# KiCad board Panel2.kicad_pcb (continued)
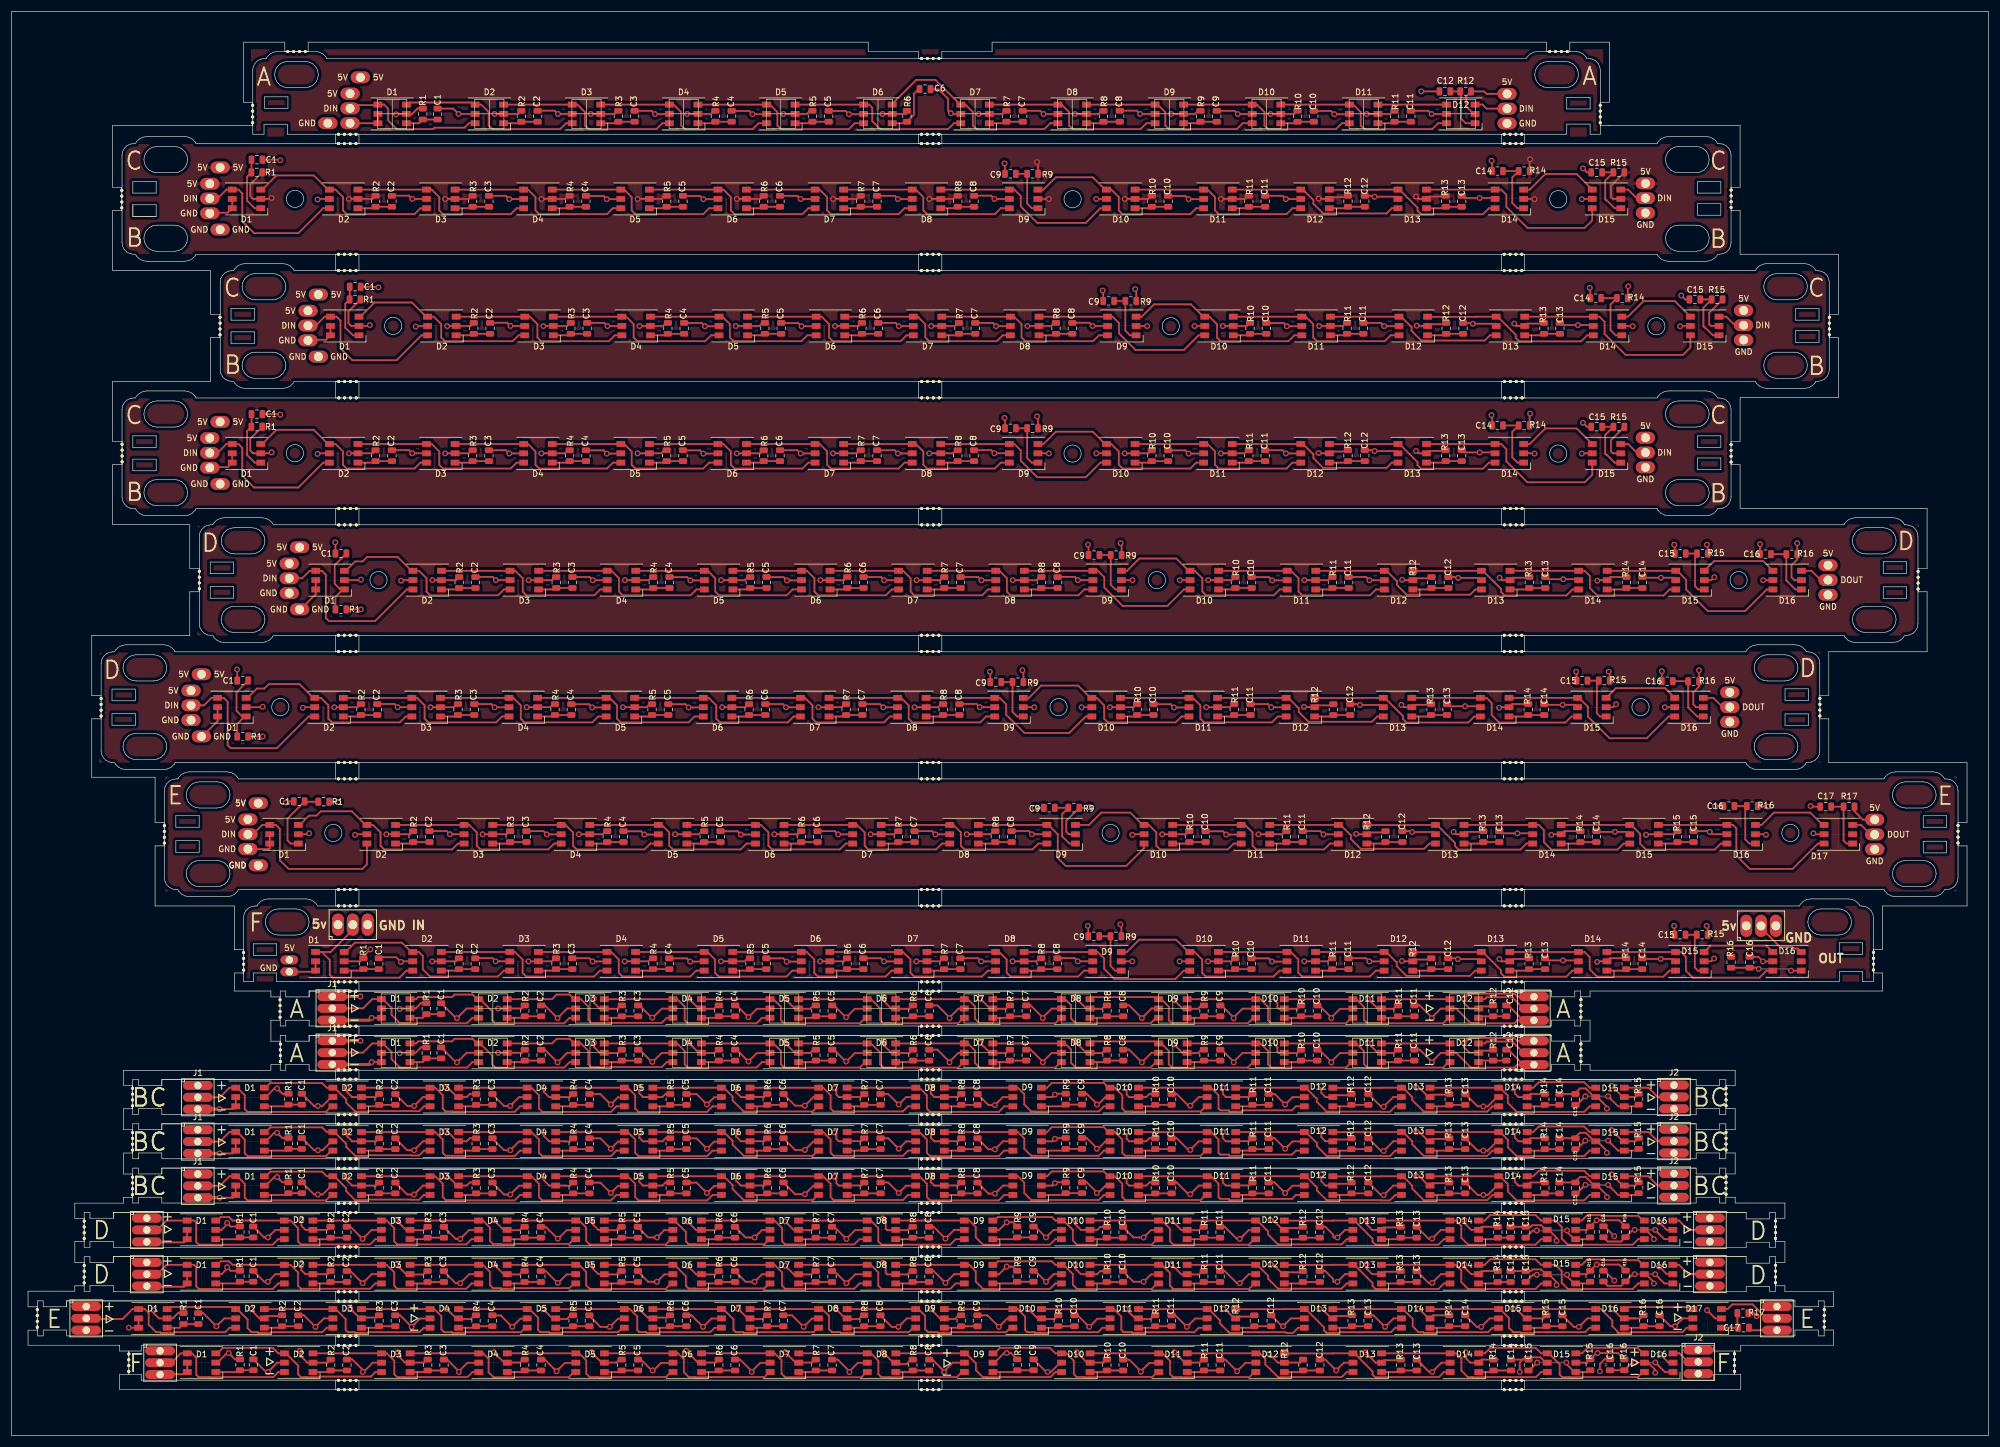
[diagram p0: board, top side]
## Routing (per net, layer and track width the routed paths; a pad name or vN(x,y) marks a point on that pad's centre or on a via; arc(x,y) is an arc through that point) (continued)
242.32,100.69 231.44,100.69 229.77,102.36 229.77,103 227.98,104.79 D12#5.4 ; 319.83,103.15 318.94,103.15 317.3,104.79 D17.3 ; D17.1 314.79,101.59 314.29,102.09 R17.2 C17.1 ; D16#4.1 298.12,101.59 297.43,102.28 297.43,107.76 R16#4.2 C16#4.1 ; C15#5.1 R15#5.2 285.55,101.59 D15#5.1 ; D14#5.1 268.88,101.59 R14#5.2 C14#5.1 ; D13#5.1 252.22,101.59 R13#5.2 C13#5.1 ; D13#5.3 D14#5.4 261.99,104.79 262.88,103.9 262.88,101.82 264.15,100.55 275.52,100.55 276.56,101.59 D15#5.6 ; D14#5.3 D15#5.4 277.86,104.79 279.39,103.26 279.39,101.56 280.4,100.55 292.19,100.55 293.22,101.59 D16#4.6 ; D15#5.3 D16#4.4 295.32,104.79 295.9,104.21 295.9,99.53 298.18,97.25 305.55,97.25 309.89,101.59 D17.6 ; D17.4 310.69,104.79 308.58,106.9 302.34,106.9 300.22,104.79 D16#4.3 ; 179.07,228.44 180.12,228.44 181.41,227.16 181.41,224.86 182.04,224.23 193.68,224.23 194.69,225.24 195.74,225.24 ; 150.95,228.44 155.2,232.68 158.48,232.68 162.72,228.44 ; 162.56,228.44 163.61,228.44 164.9,227.16 164.9,224.86 165.53,224.23 177.17,224.23 178.18,225.24 179.39,225.24 ; 167.46,228.44 179.23,228.44 ; 229.11,228.44 230.16,228.44 231.45,227.16 231.45,224.86 232.08,224.23 243.71,224.23 244.73,225.24 245.93,225.24 ; 212.41,225.24 211.2,225.24 210.19,224.23 198.55,224.23 197.92,224.86 197.92,227.16 196.63,228.44 195.58,228.44 ; 183.97,228.44 195.74,228.44 ; 217.5,228.44 229.27,228.44 ; 234.01,228.44 245.78,228.44 ; 117.43,225.24 120.2,225.24 120.46,225.5 123.25,225.5 ; 100.92,225.24 103.69,225.24 103.95,225.5 106.74,225.5 ; C2#6.1 R2#6.2 87.18,225.24 D2#6.1 ; 139.76,225.5 136.97,225.5 136.71,225.24 133.94,225.24 ; C1#6.1 R1#6.2 69.9,225.24 D1#6.1 ; D2#6.3 D3#6.4 ; 96.02,228.44 97.07,228.44 98.35,227.16 98.35,224.86 98.99,224.23 110.62,224.23 111.63,225.24 D4#6.6 ; D3#6.6 95.12,225.24 94.11,224.23 82.48,224.23 81.84,224.86 81.84,227.16 80.56,228.44 D2#6.4 79.26,228.44 78.9,228.8 68.35,228.8 67.99,228.44 D1#6.3 ; 100.92,228.44 112.68,228.44 ; 112.53,228.44 113.58,228.44 114.86,227.16 114.86,224.86 115.5,224.23 127.13,224.23 128.14,225.24 129.19,225.24 ; 145.86,225.24 144.65,225.24 143.64,224.23 132.01,224.23 131.37,224.86 131.37,227.16 130.09,228.44 129.04,228.44 ; 117.43,228.44 129.19,228.44 ; 133.94,228.44 145.7,228.44 ; 162.72,225.24 161.67,225.24 160.66,224.23 149.02,224.23 147.65,225.6 147.65,227.89 147.1,228.44 146.05,228.44 ; R6#6.2 154.79,226.69 154.79,230.3 155.65,231.16 ; C12#6.2 v1(241.83,230.7) ; 173.29,225.5 170.5,225.5 170.24,225.24 167.46,225.24 ; 183.97,225.24 186.75,225.24 187.01,225.5 189.8,225.5 ; 153.99,225.5 153.73,225.24 150.95,225.24 ; 157.74,231.03 159.07,231.03 160.65,229.45 160.65,227.45 v1(161.15,226.95) 161.26,226.84 D7#6.5 ; D12#6.3 252.36,228.44 253.05,227.75 J2#5.2 ; 212.6,228.44 213.65,228.44 214.94,227.16 214.94,224.86 215.57,224.23 227.2,224.23 228.22,225.24 229.27,225.24 ; J1#5.3 58.06,225.24 D1#6.6 D1#6.5 ; 200.48,228.44 212.25,228.44 ; C12#6.1 R12#6.2 248.65,230.56 248.65,226.05 249.46,225.24 D12#6.1 ; 234.01,225.24 236.79,225.24 237.04,225.5 239.84,225.5 ; 217.5,225.24 220.28,225.24 220.53,225.5 223.33,225.5 ; 200.48,225.24 203.26,225.24 203.52,225.5 206.31,225.5 ; v1(65.97,226.77) 66.04,226.84 D1#6.2 68.71,226.84 69.65,227.78 70.51,227.78 R1#6.1 ; 251.37,227.15 D12#6.2 250.82,226.84 249.55,228.1 249.55,229.87 R12#6.1 252.6,230.7 253.01,230.29 J2#5.1 ; 103.95,227.37 103.42,226.84 99.38,226.84 v1(99.37,226.83) ; 120.46,227.37 119.93,226.84 115.89,226.84 v1(115.88,226.83) ; v1(132.39,226.83) 132.4,226.84 136.44,226.84 136.97,227.37 ; 153.99,227.37 153.46,226.84 149.42,226.84 v1(149.41,226.83) ; v1(165.92,226.83) 165.93,226.84 169.97,226.84 170.5,227.37 ; 203.52,227.37 202.99,226.84 198.95,226.84 v1(198.94,226.83) ; v1(182.43,226.83) 182.44,226.84 186.48,226.84 187.01,227.37 ; R2#6.1 86.91,226.84 D2#6.2 82.87,226.84 v1(82.86,226.83) ; v1(232.46,226.83) 232.47,226.84 236.51,226.84 237.04,227.37 ; 220.53,227.37 220,226.84 215.96,226.84 v1(215.95,226.83) ; D2#6.6 78.46,225.24 77.7,224.48 72.57,224.48 72.32,224.23 66.09,224.23 64.57,225.75 64.57,227.76 63.89,228.44 D1#6.4 ; D1#6.4 62.82,228.42 ; D1#6.4 62.75,228.35 58.61,228.35 J1#5.2 ; D2#6.5 v1(76.66,226.84) 75.75,227.75 C1#6.2 ; 96.24,226.84 v1(93.73,226.84) 93.17,227.4 90.17,227.4 ; 112.88,226.82 v1(110.37,226.82) 109.81,227.37 106.81,227.37 ; 123.55,227.35 126.55,227.35 v1(127.1,226.79) 129.62,226.79 ; 146.18,226.79 v1(143.67,226.79) 143.11,227.35 140.11,227.35 ; 173.48,227.37 176.49,227.37 v1(177.04,226.82) 179.55,226.82 ; 196.12,226.84 v1(193.6,226.84) 193.05,227.4 190.05,227.4 ; 206.81,227.37 209.81,227.37 v1(210.37,226.82) 212.88,226.82 ; 223.37,227.35 226.37,227.35 v1(226.93,226.79) 229.44,226.79 ; 246.13,226.82 v1(243.61,226.82) 243.06,227.37 240.06,227.37 ; D13#7.5 254.3,190.82 v1(250.68,190.82) 250.53,190.97 C12#8.2 ; D13#6.5 237.45,168.96 v1(233.83,168.96) 233.68,169.11 C12#7.2 ; D2#8.5 69.42,190.44 v1(69.32,190.34) ; D2#7.5 52.58,168.58 v1(52.48,168.48) ; D14#7.6 270.3,188.84 269.26,187.8 258.65,187.8 258.05,188.4 258.05,188.92 254.93,192.04 D13#7.4 251.26,192.04 251.24,192.01 242.94,192.01 D12#8.3 ; D14#6.6 253.45,166.98 252.41,165.94 241.8,165.94 241.2,166.55 241.2,167.07 238.09,170.18 D13#6.4 234.41,170.18 234.39,170.16 226.09,170.16 D12#7.3 ; C9#8.2 187.26,196.44 v1(187.18,196.52) ; C9#7.2 170.41,174.58 v1(170.34,174.66) ; D14#7.5 271.19,190.59 v1(268.71,190.59) 266,190.59 C13#7.2 ; D14#6.5 254.35,168.73 v1(251.87,168.73) 249.15,168.73 C13#6.2 ; v1(202.93,190.42) 202.95,190.44 D10#8.5 ; v1(186.08,168.56) 186.1,168.58 D10#7.5 ; 287.61,190.84 D15#7.5 286.29,190.44 v1(286.24,190.39) ; 270.76,168.99 D15#6.5 269.44,168.58 v1(269.39,168.53) ; v1(270.75,196.99) 270.82,196.91 C14#7.2 ; v1(253.9,175.14) 253.98,175.06 C14#6.2 ; J1#7.3 50.94,188.07 53.92,188.07 D1#8.6 D1#8.5 ; 33.99,166.11 34.09,166.21 37.07,166.21 D1#7.6 D1#7.5 ; v1(62.94,197.07) 62.84,197.17 C1#8.2 ; v1(46.09,175.21) 45.99,175.31 C1#7.2 ; C15#7.2 287.11,194.99 v1(286.44,195.67) ; C15#6.2 270.26,173.14 v1(269.59,173.81) ; 221.12,188.84 220.07,188.84 219.06,187.82 207.42,187.82 206.79,188.46 206.79,190.75 205.5,192.04 204.45,192.04 ; 204.27,166.98 203.22,166.98 202.21,165.97 190.58,165.97 189.94,166.6 189.94,168.89 188.66,170.18 187.61,170.18 ; 231.91,190.97 234.91,190.97 v1(235.46,190.41) 237.98,190.41 ; 215.06,169.11 218.06,169.11 v1(218.62,168.56) 221.13,168.56 ; 88.09,190.44 v1(85.58,190.44) 85.03,190.99 82.02,190.99 ; 71.25,168.58 v1(68.73,168.58) 68.18,169.14 65.18,169.14 ; D10#8.4 204.43,192.04 202.32,194.15 195.99,194.15 193.88,192.04 D9#8.3 ; D10#7.4 187.59,170.18 185.48,172.29 179.14,172.29 177.03,170.18 D9#7.3 ; D1#8.1 58.54,188.84 57.24,190.14 57.24,194.25 R1#8.2 ; D1#7.1 41.69,166.98 40.39,168.29 40.39,172.4 R1#7.2 ; 215.22,190.94 218.22,190.94 v1(218.78,190.39) 221.29,190.39 ; 198.37,169.09 201.38,169.09 v1(201.93,168.53) 204.44,168.53 ; 165.34,190.97 168.34,190.97 v1(168.89,190.41) 171.41,190.41 ; 148.49,169.11 151.49,169.11 v1(152.04,168.56) 154.56,168.56 ; 181.9,190.99 184.9,190.99 v1(185.45,190.44) 187.97,190.44 ; 165.05,169.14 168.05,169.14 v1(168.61,168.58) 171.12,168.58 ; D15#7.4 285.34,194.71 279.97,194.71 277.3,192.04 D14#7.3 ; D15#6.4 268.5,172.85 263.12,172.85 260.45,170.18 D14#6.3 ; J2#7.2 296.54,190.57 296.34,190.77 295.44,190.77 294.17,192.04 D15#7.3 ; J2#6.2 279.69,168.71 279.49,168.91 278.59,168.91 277.32,170.18 D15#6.3 ; R12#8.1 245.89,190.74 243.22,190.74 D12#8.2 241.13,190.44 v1(241.08,190.49) ; R12#7.1 229.04,168.89 226.38,168.89 D12#7.2 224.28,168.58 v1(224.23,168.63) ; v1(157.77,190.43) 157.78,190.44 161.82,190.44 162.35,190.97 ; v1(140.92,168.57) 140.93,168.58 144.97,168.58 145.5,169.11 ; 178.86,190.97 178.33,190.44 174.29,190.44 v1(174.28,190.43) ; 162.01,169.11 161.48,168.58 157.44,168.58 v1(157.43,168.57) ; v1(141.26,190.43) 141.27,190.44 145.31,190.44 145.84,190.97 ; v1(124.41,168.57) 124.42,168.58 128.46,168.58 128.99,169.11 ; v1(224.31,190.43) 224.32,190.44 228.36,190.44 228.9,190.97 ; v1(207.47,168.57) 207.48,168.58 211.52,168.58 212.05,169.11 ; v1(107.73,190.43) 107.74,190.44 111.78,190.44 112.31,190.97 ; v1(90.88,168.57) 90.89,168.58 94.93,168.58 95.46,169.11 ; 128.82,190.97 128.29,190.44 124.25,190.44 v1(124.24,190.43) ; 111.97,169.11 111.44,168.58 107.4,168.58 v1(107.39,168.57) ; v1(91.22,190.43) 91.23,190.44 95.27,190.44 95.8,190.97 ; v1(74.37,168.57) 74.38,168.58 78.42,168.58 78.95,169.11 ; 212.39,190.97 211.85,190.44 207.81,190.44 v1(207.8,190.43) ; 195.54,169.11 195.01,168.58 190.97,168.58 v1(190.96,168.57) ; R9#8.1 192.95,196.59 v1(192.77,196.77) ; R9#7.1 176.1,174.74 v1(175.92,174.91) ; v1(194.8,190.42) 194.79,190.44 D9#8.2 ; v1(177.96,168.56) 177.94,168.58 D9#7.2 ; v1(61.45,190.59) 61.29,190.44 D1#8.2 58.27,190.44 57.79,190.92 57.79,192.93 R1#8.1 ; v1(44.6,168.73) 44.45,168.58 D1#7.2 41.42,168.58 40.94,169.06 40.94,171.07 R1#7.1 ; R2#8.1 78.76,190.44 D2#8.2 74.72,190.44 v1(74.71,190.43) ; R2#7.1 61.91,168.58 D2#7.2 57.87,168.58 v1(57.86,168.57) ; v1(257.79,190.84) 258.2,190.44 D13#7.2 259.99,190.84 262.76,190.84 R13#7.1 ; v1(240.94,168.99) 241.35,168.58 D13#6.2 243.14,168.99 245.91,168.99 R13#6.1 ; v1(278.11,190.39) 278.07,190.44 D14#7.2 ; v1(261.26,168.53) 261.22,168.58 D14#6.2 ; 54.67,192.01 D1#8.4 ; D1#8.4 55.74,192.04 56.42,191.36 56.42,186.58 58.44,184.57 66.04,184.57 70.31,188.84 D2#8.6 ; D1#8.4 53.71,192.04 52.18,190.51 J1#7.2 ; 37.82,170.16 D1#7.4 ; D1#7.4 38.89,170.18 39.57,169.5 39.57,164.73 41.59,162.71 49.19,162.71 53.46,166.98 D2#7.6 ; D1#7.4 36.86,170.18 35.33,168.65 J1#6.2 ; D15#7.2 291.57,190.44 291.24,190.77 291.24,192.7 R15#7.1 ; D15#6.2 274.72,168.58 274.39,168.91 274.39,170.84 R15#6.1 ; R14#7.1 277.27,197.17 v1(277.35,197.25) ; R14#6.1 260.42,175.31 v1(260.5,175.39) ; 104.73,190.41 v1(102.22,190.41) 101.66,190.97 98.66,190.97 ; 87.88,168.56 v1(85.37,168.56) 84.82,169.11 81.81,169.11 ; 115.4,190.94 118.4,190.94 v1(118.96,190.39) 121.47,190.39 ; 98.55,169.09 101.55,169.09 v1(102.11,168.53) 104.62,168.53 ; 138.03,190.39 v1(135.52,190.39) 134.96,190.94 131.96,190.94 ; 121.18,168.53 v1(118.67,168.53) 118.11,169.09 115.11,169.09 ; 148.65,190.97 151.65,190.97 v1(152.2,190.41) 154.72,190.41 ; 131.8,169.11 134.8,169.11 v1(135.36,168.56) 137.87,168.56 ; D15#7.6 288.02,186.75 286.74,185.47 276.89,185.47 273.29,189.07 273.29,191.15 272.4,192.04 D14#7.4 D13#7.3 ; D15#6.6 271.17,164.89 269.89,163.61 260.04,163.61 256.44,167.21 256.44,169.29 255.55,170.18 D14#6.4 D13#6.3 ; 87.87,192.04 88.92,192.04 90.2,190.75 90.2,188.46 90.84,187.82 102.47,187.82 103.48,188.84 D4#8.6 ; 71.02,170.18 72.07,170.18 73.36,168.89 73.36,166.6 73.99,165.97 85.62,165.97 86.64,166.98 D4#7.6 ; C13#7.1 R13#7.2 262.63,188.84 D13#7.1 ; C13#6.1 R13#6.2 245.78,166.98 D13#6.1 ; D2#8.3 D3#8.4 ; D2#7.3 D3#7.4 ; D3#8.6 86.97,188.84 85.96,187.82 74.33,187.82 73.69,188.46 73.69,190.75 72.41,192.04 D2#8.4 71.11,192.04 68.68,194.47 62.27,194.47 59.84,192.04 D1#8.3 ; D3#7.6 70.13,166.98 69.11,165.97 57.48,165.97 56.85,166.6 56.85,168.89 55.56,170.18 D2#7.4 54.26,170.18 51.83,172.61 45.42,172.61 42.99,170.18 D1#7.3 ; C1#8.1 58,195.02 R1#8.2 ; C1#7.1 41.15,173.16 R1#7.2 ; R1#8.2 58.07,195.09 ; R1#7.2 41.22,173.23 ; 104.38,192.04 105.43,192.04 106.71,190.75 106.71,188.46 107.35,187.82 118.98,187.82 119.99,188.84 121.04,188.84 ; 87.53,170.18 88.58,170.18 89.87,168.89 89.87,166.6 90.5,165.97 102.13,165.97 103.15,166.98 104.2,166.98 ; 92.77,192.04 104.53,192.04 ; 75.92,170.18 87.69,170.18 ; 137.71,188.84 136.5,188.84 135.49,187.82 123.86,187.82 123.22,188.46 123.22,190.75 121.94,192.04 120.89,192.04 ; 120.86,166.98 119.66,166.98 118.64,165.97 107.01,165.97 106.38,166.6 106.38,168.89 105.09,170.18 104.04,170.18 ; 109.28,192.04 121.04,192.04 ; 92.43,170.18 104.2,170.18 ; 137.91,192.04 138.96,192.04 140.24,190.75 140.24,188.46 140.88,187.82 152.51,187.82 153.52,188.84 154.57,188.84 ; 121.06,170.18 122.11,170.18 123.39,168.89 123.39,166.6 124.03,165.97 135.66,165.97 136.67,166.98 137.72,166.98 ; 125.79,192.04 137.55,192.04 ; 108.94,170.18 120.71,170.18 ; 154.39,166.98 153.18,166.98 152.17,165.97 140.54,165.97 139.9,166.6 139.9,168.89 138.62,170.18 137.57,170.18 ; 171.24,188.84 170.03,188.84 169.02,187.82 157.39,187.82 156.75,188.46 156.75,190.75 155.47,192.04 154.42,192.04 ; 125.96,170.18 137.72,170.18 ; 142.81,192.04 154.57,192.04 ; 170.74,166.98 169.69,166.98 168.68,165.97 157.05,165.97 156.41,166.6 156.41,168.89 155.13,170.18 154.08,170.18 ; 187.59,188.84 186.54,188.84 185.53,187.82 173.9,187.82 173.26,188.46 173.26,190.75 171.98,192.04 170.93,192.04 ; 142.47,170.18 154.23,170.18 ; 159.32,192.04 171.08,192.04 ; 158.98,170.18 170.74,170.18 ; 175.83,192.04 187.59,192.04 ; 170.59,170.18 171.64,170.18 ; 187.44,192.04 188.49,192.04 ; D10#7.6 186.79,166.98 184.28,164.47 175.95,164.47 173.13,167.29 173.13,169.07 172.02,170.18 D9#7.4 ; D10#8.6 203.63,188.84 201.12,186.33 192.8,186.33 189.98,189.15 189.98,190.93 188.87,192.04 D9#8.4 ; 220.96,192.04 222.01,192.04 223.3,190.75 223.3,188.46 223.93,187.82 235.57,187.82 236.58,188.84 237.79,188.84 ; 204.12,170.18 205.17,170.18 206.45,168.89 206.45,166.6 207.09,165.97 218.72,165.97 219.73,166.98 220.94,166.98 ; 209.35,192.04 221.12,192.04 ; 192.51,170.18 204.27,170.18 ; 225.86,192.04 237.63,192.04 ; 209.02,170.18 220.78,170.18 ; D13#7.6 253.63,188.84 252.73,187.94 241.85,187.94 240.18,189.6 240.18,190.24 238.39,192.04 D12#8.4 ; D13#6.6 236.79,166.98 235.89,166.08 225,166.08 223.33,167.75 223.33,168.39 221.54,170.18 D12#7.4 ; C15#7.1 R15#7.2 290.24,193.57 290.24,190.37 290.44,190.17 290.54,190.17 291.87,188.84 D15#7.1 ; C15#6.1 R15#6.2 273.39,171.72 273.39,168.51 273.59,168.31 273.69,168.31 275.02,166.98 D15#6.1 ; C14#7.1 R14#7.2 274.3,194.12 274.3,189.73 275.2,188.84 D14#7.1 ; C14#6.1 R14#6.2 257.45,172.26 257.45,167.88 258.35,166.98 D14#6.1 ; 131.61,189.09 128.82,189.09 128.56,188.84 125.79,188.84 ; 114.77,167.24 111.97,167.24 111.72,166.98 108.94,166.98 ; 148.63,189.09 145.84,189.09 145.58,188.84 142.81,188.84 ; 131.78,167.24 128.99,167.24 128.73,166.98 125.96,166.98 ; 159.32,188.84 162.09,188.84 162.35,189.09 165.14,189.09 ; 142.47,166.98 145.24,166.98 145.5,167.24 148.29,167.24 ; 175.83,188.84 178.6,188.84 178.86,189.09 181.65,189.09 ; 158.98,166.98 161.75,166.98 162.01,167.24 164.8,167.24 ; C9#8.1 R9#8.2 191.07,189.63 191.87,188.84 D9#8.1 ; C9#7.1 R9#7.2 174.22,167.78 175.02,166.98 D9#7.1 ; C12#8.1 R12#8.2 245.85,188.84 D12#8.1 ; C12#7.1 R12#7.2 229.01,166.98 D12#7.1 ; 209.35,188.84 212.13,188.84 212.39,189.09 215.18,189.09 ; 192.51,166.98 195.28,166.98 195.54,167.24 198.33,167.24 ; 231.69,189.09 228.9,189.09 228.64,188.84 225.86,188.84 ; 214.84,167.24 212.05,167.24 211.79,166.98 209.02,166.98 ; 98.59,189.09 95.8,189.09 95.54,188.84 92.77,188.84 ; 81.75,167.24 78.95,167.24 78.7,166.98 75.92,166.98 ; D2#8.1 79.03,188.84 R2#8.2 C2#8.1 ; D2#7.1 62.19,166.98 R2#7.2 C2#7.1 ; 115.1,189.09 112.31,189.09 112.05,188.84 109.28,188.84 ; 98.26,167.24 95.46,167.24 95.21,166.98 92.43,166.98 ; 240.66,73.8 241.58,73.8 243.65,71.73 ; 240.66,66.21 241.58,66.21 243.65,64.13 ; 223.97,73.78 224.35,73.78 226.4,71.73 ; 223.97,66.18 224.35,66.18 226.4,64.13 ; 243.65,71.73 245.18,73.25 246.73,73.25 ; 243.65,71.73 v1(243.65,71.63) ; 243.65,64.13 245.18,65.65 246.73,65.65 ; 243.65,64.13 v1(243.65,64.03) ; 226.4,71.73 227.9,73.22 230.04,73.22 ; 226.4,71.73 v1(226.4,71.63) ; 226.4,64.13 227.9,65.63 230.04,65.63 ; 226.4,64.13 v1(226.4,64.03) ; 213.48,73.25 211.18,73.25 209.65,71.73 ; 213.48,65.65 211.18,65.65 209.65,64.13 ; 209.65,71.73 v1(209.65,71.63) ; 209.65,71.73 207.58,73.8 207.41,73.8 ; 209.65,64.13 v1(209.65,64.03) ; 209.65,64.13 207.58,66.21 207.41,66.21 ; 130.22,73.22 127.85,73.22 v1(126.4,71.78) 124.4,73.78 124.15,73.78 ; 130.22,65.63 127.85,65.63 v1(126.4,64.18) 124.4,66.18 124.15,66.18 ; 109.9,71.63 v1(109.9,71.71) ; 109.9,71.63 111.53,73.25 113.48,73.25 ; 109.9,71.63 107.73,73.8 107.41,73.8 ; 109.9,64.03 v1(109.9,64.11) ; 109.9,64.03 111.53,65.65 113.48,65.65 ; 109.9,64.03 107.73,66.21 107.41,66.21 ; 143.15,71.73 v1(143.15,71.78) ; 143.15,71.73 141.1,73.78 140.71,73.78 ; 143.15,71.73 144.65,73.22 146.78,73.22 ; 143.15,64.13 v1(143.15,64.18) ; 143.15,64.13 141.1,66.18 140.71,66.18 ; 143.15,64.13 144.65,65.63 146.78,65.63 ; 201.09,74.87 212.85,74.87 ; 201.09,67.27 212.85,67.27 ; 213.2,74.87 214.25,74.87 215.54,73.59 215.54,71.29 216.11,70.73 228.92,70.73 229.87,71.67 ; 213.2,67.27 214.25,67.27 215.54,65.99 215.54,63.7 216.11,63.13 228.92,63.13 229.87,64.07 ; 251.69,74.85 D12#10.3 252.72,74.87 253.05,75.2 257.45,75.2 259.38,73.27 J2#9.2 ; 251.69,67.25 D12#9.3 252.72,67.27 253.05,67.6 257.45,67.6 259.38,65.67 J2#8.2 ; 260.24,73.3 262.02,73.3 ; 260.24,65.7 262.02,65.7 ; D12#10.1 251.92,71.93 254.14,71.93 R12#10.2 C12#10.1 ; D12#9.1 251.92,64.33 254.14,64.33 R12#9.2 C12#9.1 ; 234.61,71.67 237.39,71.67 237.65,71.93 240.44,71.93 ; 234.61,64.07 237.39,64.07 237.65,64.33 240.44,64.33 ; 218.1,71.67 220.88,71.67 221.14,71.93 223.93,71.93 ; 218.1,64.07 220.88,64.07 221.14,64.33 223.93,64.33 ; 201.09,71.67 203.86,71.67 204.12,71.93 206.91,71.93 ; 201.09,64.07 203.86,64.07 204.12,64.33 206.91,64.33 ; 190.4,71.93 187.61,71.93 187.35,71.67 184.58,71.67 ; 190.4,64.33 187.61,64.33 187.35,64.07 184.58,64.07 ; 173.89,71.93 171.1,71.93 170.84,71.67 168.07,71.67 ; 173.89,64.33 171.1,64.33 170.84,64.07 168.07,64.07 ; D2#10.3 92.72,74.87 93.52,75.67 95.72,75.67 96.52,74.87 D3#10.4 ; D2#9.3 92.72,67.27 93.52,68.07 95.72,68.07 96.52,67.27 D3#9.4 ; D4#10.6 112.39,71.67 111.52,70.81 102.78,70.81 102.74,70.77 100.6,70.77 100.57,70.81 99.44,70.81 98.95,71.29 98.95,73.59 97.67,74.87 96.62,74.87 ; D4#9.6 112.39,64.07 111.52,63.21 102.78,63.21 102.74,63.17 100.6,63.17 100.57,63.21 99.44,63.21 98.95,63.7 98.95,65.99 97.67,67.27 96.62,67.27 ; 151.56,71.67 154.33,71.67 154.59,71.93 157.38,71.93 ; 151.56,64.07 154.33,64.07 154.59,64.33 157.38,64.33 ; 134.54,71.67 137.31,71.67 137.57,71.93 140.36,71.93 ; 134.54,64.07 137.31,64.07 137.57,64.33 140.36,64.33 ; 118.03,71.67 120.8,71.67 121.06,71.93 123.85,71.93 ; 118.03,64.07 120.8,64.07 121.06,64.33 123.85,64.33 ; 101.52,71.67 104.29,71.67 104.55,71.93 107.34,71.93 ; 101.52,64.07 104.29,64.07 104.55,64.33 107.34,64.33 ; C2#10.1 R2#10.2 87.78,71.67 D2#10.1 ; C2#9.1 R2#9.2 87.78,64.07 D2#9.1 ; C1#10.1 R1#10.2 70.5,71.67 D1#10.1 ; C1#9.1 R1#9.2 70.5,64.07 D1#9.1 ; D1#10.5 D1#10.6 v1(61.77,71.67) ; D1#9.5 D1#9.6 v1(61.77,64.07) ; D1#10.4 61.85,74.87 60.28,73.3 J1#9.2 ; D1#10.4 63.42,74.85 ; D1#10.4 63.69,74.87 65.17,73.39 65.17,72.18 66.63,70.73 78.11,70.73 79.06,71.67 D2#10.6 ; D1#9.4 61.85,67.27 60.28,65.7 J1#8.2 ; D1#9.4 63.42,67.25 ; D1#9.4 63.69,67.27 65.17,65.8 65.17,64.58 66.63,63.13 78.11,63.13 79.06,64.07 D2#9.6 ; C12#10.2 256.76,73.81 259.33,71.24 J2#9.3 258.32,71.24 257.8,70.73 250.36,70.73 247.82,73.27 D12#10.5 ; C12#9.2 256.76,66.21 259.33,63.64 J2#8.3 258.32,63.64 257.8,63.13 250.36,63.13 247.82,65.67 D12#9.5 ; 260.29,71.27 262.02,71.27 ; 260.29,63.67 262.02,63.67 ; 90.77,73.83 91.45,73.83 v1(93.65,71.63) 95.3,73.28 96.84,73.28 ; 90.77,66.23 91.45,66.23 v1(93.65,64.03) 95.3,65.68 96.84,65.68 ; C1#10.2 76.24,71.63 v1(76.4,71.63) 78.05,73.27 D2#10.5 ; C1#9.2 76.24,64.03 v1(76.4,64.03) 78.05,65.67 D2#9.5 ; D1#10.3 69.39,74.87 69.75,75.23 75.58,75.23 76.02,75.67 79.06,75.67 79.86,74.87 D2#10.4 80.36,74.87 82.44,72.79 82.44,71.29 83.01,70.73 94.78,70.73 95.72,71.67 D3#10.6 ; D1#9.3 69.39,67.27 69.75,67.63 75.58,67.63 76.02,68.07 79.06,68.07 79.86,67.27 D2#9.4 80.36,67.27 82.44,65.19 82.44,63.7 83.01,63.13 94.78,63.13 95.72,64.07 D3#9.6 ; 176.9,71.73 174.83,73.8 174.09,73.8 ; 176.9,71.73 178.43,73.25 180.16,73.25 ; 176.9,71.73 v1(176.9,71.63) ; 176.9,64.13 174.83,66.21 174.09,66.21 ; 176.9,64.13 178.43,65.65 180.16,65.65 ; 176.9,64.13 v1(176.9,64.03) ; 190.65,73.83 191.7,73.83 v1(193.9,71.63) 195.55,73.28 196.72,73.28 ; 190.65,66.23 191.7,66.23 v1(193.9,64.03) 195.55,65.68 196.72,65.68 ; 160.9,71.73 v1(160.9,71.63) ; 160.9,71.73 158.83,73.8 157.4,73.8 ; 160.9,71.73 162.43,73.25 163.47,73.25 ; 160.9,64.13 v1(160.9,64.03) ; 160.9,64.13 158.83,66.21 157.4,66.21 ; 160.9,64.13 162.43,65.65 163.47,65.65 ; 134.54,74.87 146.3,74.87 ; 134.54,67.27 146.3,67.27 ; 129.64,74.87 